# Altium PCB Moter_Control_2021-08-13.pcbdoc (part 1 of 2) (continued)
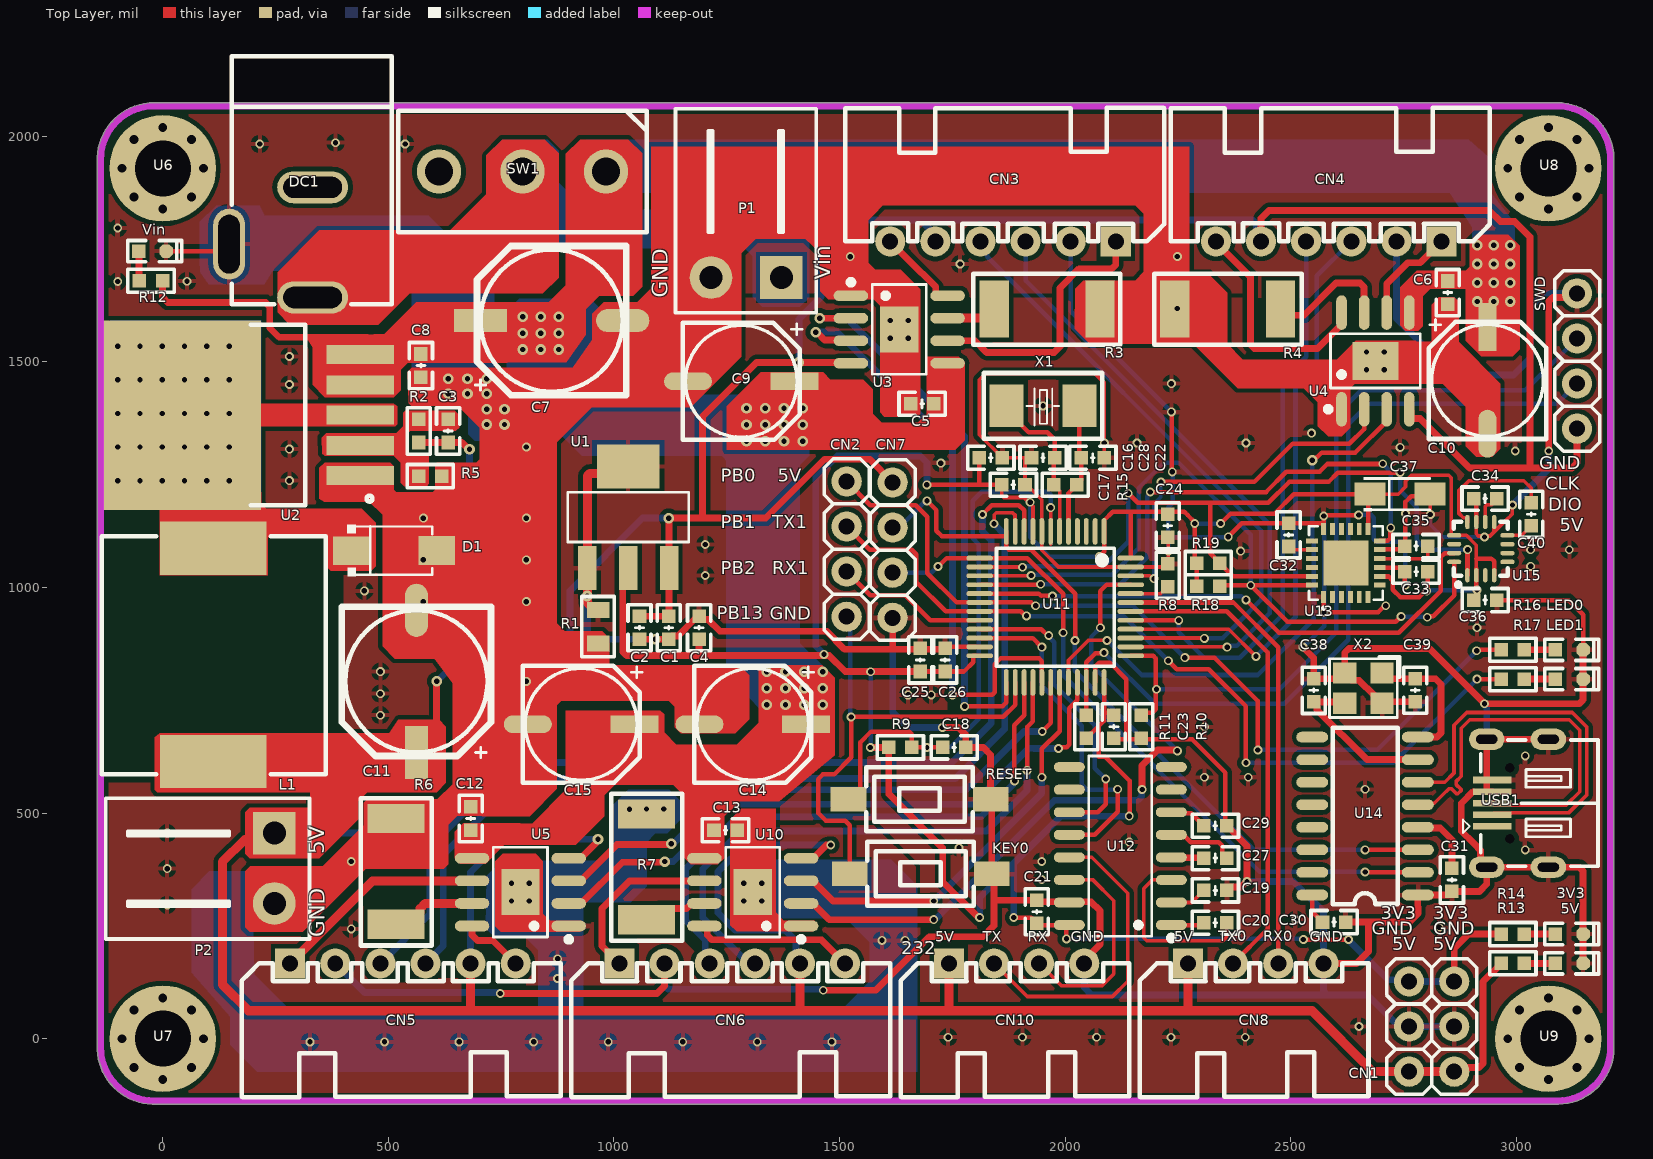
[diagram p0: Top Layer view]
## Part data
3V3 5V LED0 LED1 Vin: BOM_JLCPCB Part Class="Basic Part", BOM_Manufacturer=EVERLIGHT, BOM_Manufacturer Part=19-217/BHC-ZL1M2RY/3T, BOM_Supplier=LCSC, BOM_Supplier Part=C72041, spicePre=L, spiceSymbolName=19-217/BHC-ZL1M2RY/3T
C1 C18 C19 C20 C21 C23 C24 C25 C27 C29 C30 C31 C33 C35 C36: BOM_JLCPCB Part Class="Basic Part", BOM_Manufacturer=YAGEO, BOM_Manufacturer Part=CC0603KRX7R9BB104, BOM_Supplier=LCSC, BOM_Supplier Part=C14663, nameAlias=Capacitance, spicePre=C, spiceSymbolName=CC0603KRX7R9BB104
C2 C4: BOM_JLCPCB Part Class="Extended Part", BOM_Manufacturer=SAMSUNG, BOM_Manufacturer Part=CL10A106MA8NRNC, BOM_Supplier=LCSC, BOM_Supplier Part=C96446, nameAlias=Capacitance, spicePre=C, spiceSymbolName=CL10A106MA8NRNC
C3: BOM_JLCPCB Part Class="Basic Part", BOM_Manufacturer=SAMSUNG, BOM_Manufacturer Part=CL10B333KB8NNNC, BOM_Supplier=LCSC, BOM_Supplier Part=C21117, nameAlias=Capacitance, spicePre=C, spiceSymbolName=CL10B333KB8NNNC
C5 C6 C12 C13 C40: BOM_JLCPCB Part Class="Basic Part", BOM_Manufacturer=SAMSUNG, BOM_Manufacturer Part=CL10B224KA8NNNC, BOM_Supplier=LCSC, BOM_Supplier Part=C21120, nameAlias=Capacitance, spicePre=C, spiceSymbolName=CL10B224KA8NNNC
C7 C11: library part 470uF, BOM_JLCPCB Part Class="Extended Part", BOM_Manufacturer=ROQANG, BOM_Manufacturer Part=RVT1H471M1213, BOM_Supplier=LCSC, BOM_Supplier Part=C90272, nameAlias=Capacitance, spicePre=C, spiceSymbolName=RVT1H471M1213
C8 C16: BOM_JLCPCB Part Class="Basic Part", BOM_Manufacturer=SAMSUNG, BOM_Manufacturer Part=CL10A105KB8NNNC, BOM_Supplier=LCSC, BOM_Supplier Part=C15849, nameAlias=Capacitance, spicePre=C, spiceSymbolName=CL10A105KB8NNNC
C9 C10 C14 C15: BOM_JLCPCB Part Class="Extended Part", BOM_Manufacturer=HONOR, BOM_Manufacturer Part=RVT1H101M0810, BOM_Supplier=LCSC, BOM_Supplier Part=C3352, nameAlias=Capacitance, spicePre=C, spiceSymbolName=RVT1H101M0810
C17: BOM_JLCPCB Part Class="Basic Part", BOM_Manufacturer=FH, BOM_Manufacturer Part=0603B103K500NT, BOM_Supplier=LCSC, BOM_Supplier Part=C57112, nameAlias=Capacitance, spicePre=C, spiceSymbolName=0603B103K500NT
C22 C28 C38 C39: BOM_JLCPCB Part Class="Basic Part", BOM_Manufacturer=SAMSUNG, BOM_Manufacturer Part=CL10C220JB8NNNC, BOM_Supplier=LCSC, BOM_Supplier Part=C1653, nameAlias=Capacitance, spicePre=C, spiceSymbolName=CL10C220JB8NNNC
C26 C34: BOM_JLCPCB Part Class="Basic Part", BOM_Manufacturer=SAMSUNG, BOM_Manufacturer Part=CL10A475KO8NNNC, BOM_Supplier=LCSC, BOM_Supplier Part=C19666, nameAlias=Capacitance, spicePre=C, spiceSymbolName=CL10A475KO8NNNC
C32: BOM_JLCPCB Part Class="Basic Part", BOM_Manufacturer=FH, BOM_Manufacturer Part=0603B222K500NT, BOM_Supplier=LCSC, BOM_Supplier Part=C1604, nameAlias=Capacitance, spicePre=C, spiceSymbolName=0603B222K500NT
C37: BOM_JLCPCB Part Class="Extended Part", BOM_Manufacturer=KEMET, BOM_Manufacturer Part=T491A104K035AT, BOM_Supplier=LCSC, BOM_Supplier Part=C122257, Contributor=LCSC, nameAlias=Capacitance, spicePre=C, spiceSymbolName=T491A104K035AT
CN1 CN3 CN4 CN5 CN6 CN7 CN8 CN10 SWD: BOM_JLCPCB Part Class="Extended Part", BOM_Manufacturer="HX(Zhejiang Yueqing Hongxing Elec)", BOM_Supplier=LCSC, Contributor=LCSC, spicePre=C
  CN1 CN3 CN4 CN5 CN6: BOM_Manufacturer Part=HX25003-6WAP, BOM_Supplier Part=C442330, spiceSymbolName=HX25003-6WAP
  CN7 CN8 CN10 SWD: BOM_Manufacturer Part=HX25035-4WAP, BOM_Supplier Part=C442385, spiceSymbolName=HX25035-4WAP
CN2: BOM_JLCPCB Part Class="Extended Part", BOM_Manufacturer=GEPU(歌普), BOM_Manufacturer Part=GP26-2520WV-4P, BOM_Supplier=LCSC, BOM_Supplier Part=C2681739, Contributor=LCSC, spicePre=H, spiceSymbolName=GP26-2520WV-4P
D1: BOM_JLCPCB Part Class="Extended Part", BOM_Manufacturer=TWGMC, BOM_Manufacturer Part=SS54, BOM_Supplier=LCSC, BOM_Supplier Part=C727065, Contributor=LCSC, spicePre=D, spiceSymbolName=SS54_C727065
DC1 SW1: BOM_JLCPCB Part Class="Extended Part", BOM_Manufacturer="XKB Enterprise", BOM_Supplier=LCSC, Contributor=LCSC
  DC1: BOM_Manufacturer Part=DC-005-5A-3.0, BOM_Supplier Part=C388625, spicePre=D, spiceSymbolName=DC-005-5A-3.0
  SW1: BOM_Manufacturer Part=SS-12D06L5, BOM_Supplier Part=C319015, spicePre=S, spiceSymbolName=SS-12D06L5
KEY0 RESET: BOM_JLCPCB Part Class="Extended Part", BOM_Manufacturer=BRIGHT, BOM_Manufacturer Part=TSA363G25-250B, BOM_Supplier=LCSC, BOM_Supplier Part=C354943, Contributor=LCSC, spicePre=S, spiceSymbolName=TSA363G25-250B
L1: BOM_JLCPCB Part Class="Extended Part", BOM_Manufacturer=Sunlord, BOM_Manufacturer Part=MWSA1206S-330MT, BOM_Supplier=LCSC, BOM_Supplier Part=C408530, Contributor=LCSC, nameAlias=Inductance, spicePre=L, spiceSymbolName=MWSA1206S-330MT
P1 P2: BOM_JLCPCB Part Class="Extended Part", BOM_Manufacturer=ReliaPro, BOM_Manufacturer Part=WJ126V-5.0-2P, BOM_Supplier=LCSC, BOM_Supplier Part=C8404, spicePre=P, spiceSymbolName=WJ126V-5.0-2P
R1: BOM_JLCPCB Part Class="Basic Part", BOM_Manufacturer=UniOhm, BOM_Manufacturer Part=0603WAF0000T5E, BOM_Supplier=LCSC, BOM_Supplier Part=C21189, nameAlias="Resistance (Ohms)", spicePre=R, spiceSymbolName=0603WAF0000T5E
R2: BOM_JLCPCB Part Class="Extended Part", BOM_Manufacturer=UniOhm, BOM_Manufacturer Part=0603WAF1052T5E, BOM_Supplier=LCSC, BOM_Supplier Part=C22855, nameAlias="Resistance (Ohms)", spicePre=R, spiceSymbolName=0603WAF1052T5E
R3 R4 R6 R7: BOM_JLCPCB Part Class="Extended Part", BOM_Manufacturer=UniOhm, BOM_Manufacturer Part=25121WF250LT4E, BOM_Supplier=LCSC, BOM_Supplier Part=C25467, nameAlias="Resistance (Ohms)", spicePre=R, spiceSymbolName=25121WF250LT4E
R5 R12: BOM_JLCPCB Part Class="Basic Part", BOM_Manufacturer=UniOhm, BOM_Manufacturer Part=0603WAF2001T5E, BOM_Supplier=LCSC, BOM_Supplier Part=C22975, nameAlias="Resistance (Ohms)", spicePre=R, spiceSymbolName=0603WAF2001T5E
R8 R9: BOM_JLCPCB Part Class="Basic Part", BOM_Manufacturer=UniOhm, BOM_Manufacturer Part=0603WAF1002T5E, BOM_Supplier=LCSC, BOM_Supplier Part=C25804, nameAlias="Resistance (Ohms)", spicePre=R, spiceSymbolName=0603WAF1002T5E
R10 R11: BOM_JLCPCB Part Class="Extended Part", BOM_Manufacturer=YAGEO, BOM_Manufacturer Part=RC0603FR-074K7L, BOM_Supplier=LCSC, BOM_Supplier Part=C99782, nameAlias="Resistance (Ohms)", spicePre=R, spiceSymbolName=RC0603FR-074K7L
R13 R14 R16 R17: BOM_JLCPCB Part Class="Basic Part", BOM_Manufacturer=UniOhm, BOM_Manufacturer Part=0603WAF5100T5E, BOM_Supplier=LCSC, BOM_Supplier Part=C23193, nameAlias="Resistance (Ohms)", spicePre=R, spiceSymbolName=0603WAF5100T5E
R15: BOM_JLCPCB Part Class="Basic Part", BOM_Manufacturer=UniOhm, BOM_Manufacturer Part=0603WAF1004T5E, BOM_Supplier=LCSC, BOM_Supplier Part=C22935, nameAlias="Resistance (Ohms)", spicePre=R, spiceSymbolName=0603WAF1004T5E
R18 R19: BOM_JLCPCB Part Class="Basic Part", BOM_Manufacturer=UniOhm, BOM_Manufacturer Part=0603WAF4701T5E, BOM_Supplier=LCSC, BOM_Supplier Part=C23162, nameAlias="Resistance (Ohms)", spicePre=R, spiceSymbolName=0603WAF4701T5E
U1: BOM_JLCPCB Part Class="Extended Part", BOM_Manufacturer="SLKORMICRO Elec.", BOM_Manufacturer Part=AMS1117-3.3, BOM_Supplier=LCSC, BOM_Supplier Part=C426566, Contributor=LCSC, spicePre=U, spiceSymbolName=AMS1117-3.3_C426566
U2: BOM_JLCPCB Part Class="Extended Part", BOM_Manufacturer=XLSEMI, BOM_Manufacturer Part=XL4005E1, BOM_Supplier=LCSC, BOM_Supplier Part=C73332, spicePre=U, spiceSymbolName=XL4005E1
U3 U4 U5 U10: BOM_JLCPCB Part Class="Extended Part", BOM_Manufacturer=ALLEGRO, BOM_Manufacturer Part=A4950ELJTR-T, BOM_Supplier=LCSC, BOM_Supplier Part=C82404, spicePre=U, spiceSymbolName=A4950ELJTR-T
U11: BOM_Manufacturer=GigaDevice(兆易创新), BOM_Manufacturer Part=GD32F303CGT6, BOM_Supplier=LCSC, BOM_Supplier Part=C2835084, Contributor=LCSC, spicePre=U, spiceSymbolName=GD32F303CGT6
U12: BOM_JLCPCB Part Class="Extended Part", BOM_Manufacturer=HGSEMI, BOM_Manufacturer Part=SP3232EIM/TR, BOM_Supplier=LCSC, BOM_Supplier Part=C519088, Contributor=LCSC, spicePre=U, spiceSymbolName=SP3232EIM/TR
U13: BOM_JLCPCB Part Class="Basic Part", BOM_Manufacturer=InvenSense, BOM_Manufacturer Part=MPU-6050, BOM_Supplier=LCSC, BOM_Supplier Part=C24112, sourceId=1T5FDZYC8, spicePre=U, spiceSymbolName=MPU-6050_C24112, timeStamp=1462265206
U14: BOM_JLCPCB Part Class="Basic Part", BOM_Manufacturer=WCH, BOM_Manufacturer Part=CH340G, BOM_Supplier=LCSC, BOM_Supplier Part=C14267, spicePre=U, spiceSymbolName=CH340G, timeStamp=1468327462
U15: BOM_JLCPCB Part Class="Extended Part", BOM_Manufacturer=QST, BOM_Manufacturer Part=QMC5883L-TR, BOM_Supplier=LCSC, BOM_Supplier Part=C192585, Contributor=LCSC, spicePre=U, spiceSymbolName=QMC5883L-TR
USB1: BOM_JLCPCB Part Class="Extended Part", BOM_Manufacturer=韩国韩荣, BOM_Manufacturer Part=U-M-M5DS-W-5, BOM_Supplier=LCSC, BOM_Supplier Part=C2689963, Contributor=LCSC, spicePre=U, spiceSymbolName=U-M-M5DS-W-5_C2689963
X1: BOM_JLCPCB Part Class="Basic Part", BOM_Manufacturer=YXC, BOM_Manufacturer Part=X50328MSB2GI, BOM_Supplier=LCSC, BOM_Supplier Part=C115962, nameAlias=Frequency, spicePre=X, spiceSymbolName=X50328MSB2GI
X2: BOM_JLCPCB Part Class="Basic Part", BOM_Manufacturer=YXC, BOM_Manufacturer Part=X322512MSB4SI, BOM_Supplier=LCSC, BOM_Supplier Part=C9002, nameAlias=Frequency, spicePre=X, spiceSymbolName=X322512MSB4SI
U6 U7 U8 U9: Contributor=xdyewu, spicePre=U, spiceSymbolName=Fix

## Via types
v1: diameter 19.68, hole 11.81, Top Layer to Bottom Layer, tented both sides, 174 vias
v2: diameter 23.62, hole 11.81, Top Layer to Bottom Layer, tented both sides, 70 vias
v3: diameter 19.68, hole 11.81, Top Layer to Bottom Layer, 30 vias

## Nets (pads, with @x,y where several pads share a name; then routed paths per layer and width w, separated by ;. In a path a pad name is that pad's centre, name@x,y a point inside that pad or via, vN(x,y) a via of type N, cw(c..) or ccw(c..) an arc to the next point about the centre after c; other vN are vias at no path point)
3V3: C4.2 C16.1 C17.1 C21.2 C23.2 C24.2 C25.2 C26.2 C33.2 C36.2 C37.1 CN1.5 CN1.6 R9.2 R11.2 R14.2 R18.1 R19.1 U1.2 U11.1 U11.9 U11.24 U11.36 U11.48 U12.16 U13.8 U13.13 U15.2 U15.4 U15.13 | length 7215.6
  Top Layer w8: C17.1@1859.71,1227.56 1859.71,1204.12 1864.4,1199.43 1908.65,1199.43 1919.1,1188.99 v1(1922.26,1188.99) ; U11.9@1928.59,1124.25 1928.59,1179.49 ; C37.1@2675.82,1206.93 2738.02,1206.93 2754.14,1223.04 2754.14,1235.62 2767.2,1248.69 2850.07,1248.69 2855.92,1242.83 2855.92,1116.55 2856.78,1115.69 U15.13@2862.03,1115.69 2889.29,1115.69 2911.24,1093.74 2911.24,1064.1 2911.24,1042.86
  Top Layer w10: C25.2@1678.74,813.83 1775.64,813.83 1796.02,834.21 1796.02,848.37 1796.31,848.67 U11.24@1810.48,848.67 ; v1(1693.39,1227.56) 1810.6,1227.56 ; C16.1@1809.71,1287.56 1809.71,1228.45 1810.6,1227.56 ; C17.1@1859.71,1227.56 1810.6,1227.56 ; v1(1886.01,268.54) 1924.41,268.54 1941.02,251.93 U12.16@2007.58,251.93 ; v1@2002.02,223.45 2002.02,246.36 U12.16@2007.58,251.93 ; U12.16@2009.11,251.93 U12.16@2007.58,251.93 ; R11.2@2046.79,665.75 2073.84,692.79 ; v1(2075.67,1068.68) 2086.65,1079.65 2086.65,1099.29 2086.19,1099.75 2086.19,1123.5 U11.1@2086.36,1123.67 ; 2086.07,705.03 2073.84,692.79 ; 2086.07,710.03 2086.07,722.02 ; U11.36@2086.07,789.62 2086.07,722.02 ; U11.1@2086.07,1124.25 2086.07,1148.46 2105.72,1168.11 2145.67,1168.11 ; C23.2@2107.83,721.93 2107.74,722.02 2086.07,722.02 ; v1(2141.93,493.17) 2142.55,493.79 2142.55,571.54 2088.83,625.26 2073.84,625.26 2073.84,692.79 ; U11.48@2145.12,1065.2 2145.12,1167.56 2145.67,1168.11 ; R19.1@2287.2,1052.53 v1(2287.2,1141.93) 2287.2,1144.55 2271.21,1160.55 2271.21,1160.69 2263.79,1168.11 2145.67,1168.11 ; R19.1@2291.57,1054.16 2291.57,1002.42 R18.1@2291.61,1002.38 ; v1(2344.45,1141.7) 2366.66,1163.92 2463.9,1163.92 2506.91,1206.93 C37.1@2675.82,1206.93 2671.42,1202.53 U13.13@2671.42,1129.39 ; v1(2527.91,219.78) v1(2627.91,219.78) ; U13.8@2697.31,1024.77 2697.69,1024.38 2716.73,1024.38 2726.17,1014.95 2726.17,995.18 2743,978.34 2784.24,978.34 2803.39,997.48 C33.2@2803.39,1035.22 ; C36.2@2911.24,978.03 U15.2@2911.24,1027.11 2911.24,1042.86 ; 2911.24,1064.1 2944.76,1064.1 2950.61,1058.24 U15.4@2950.61,1027.11
  Top Layer w15: U1.2@1031.54,1043.36 1019.26,1031.09 1019.26,858.22 1028.05,849.43 1189.4,849.43 ; C4.2@1188.54,885.28 1188.54,850.3 1189.4,849.43 ; v1@1465.17,850.9 1467.52,850.9 1468.99,849.43 1476.88,849.43 1512.48,813.83 C25.2@1678.74,813.83 ; v1(1465.36,851.79) 1464.09,851.79 1461.73,849.43 1189.4,849.43 ; v1(1568.18,645.55) R9.2@1609.1,645.55 1609.1,542.32 1728.5,422.91 1728.5,347.81 1805.43,270.88 1806.8,270.88 1809.14,268.54 v1(1810.41,268.54) ; CN1.5@2862.2,126.93 2862.2,199.97 2894.17,231.93 R14.2@2966.62,231.93
  Bottom Layer w10: v1(1568.18,645.55) 1568.53,645.9 1568.53,812.95 v1(1568.88,813.3) ; v1(1922.26,1188.99) 1922.26,1111.6 1965.18,1068.68 v1(2075.67,1068.68) ; v1(2002.72,221.3) 2526.57,221.3 v1@2527.2,221.93 ; v1(2287.2,1141.93) 2287.32,1141.82 2344.33,1141.82 v1(2344.45,1141.7) ; v1(2801.31,992.63) 2802.38,993.71 2911.57,993.71 v1(2912.64,994.78)
  Bottom Layer w15: v1(1465.36,851.79) 1465.36,852.13 1447.1,870.39 1447.1,1243.73 1494.82,1291.45 1678.74,1291.45 1693.74,1276.45 1693.74,1227.92 v1(1693.39,1227.56) ; v1(1810.41,268.54) 1810.41,312.46 1885.82,387.86 ; v1(1886.01,268.54) 1885.82,268.73 1885.82,387.86 ; v1(2141.93,493.17) 1991.13,493.17 1885.82,387.86 ; v1@2627.2,219.78 2716.56,130.43 2758.71,130.43 CN1.6@2762.2,126.93 CN1.5@2862.2,126.93
AGND: C5.1 C6.1 C7.2 C8.2 C9.2 C10.2 C11.2 C12.1 C13.1 C14.2 C15.2 D1.2 DC1.3 P1.2 P2.2 R1.1 R3.1 R4.1 R5.1 R6.1 R7.1 U2.1 U3.1 U3.9 U4.1 U4.9 U5.1 U5.9 U10.1 U10.9 Vin.2 | length 146.1
  Top Layer w10: Vin.2@7.38,1745.48 131.56,1745.48 DC1.3@147.04,1760.95
  other v1: 326.32,-6.96 491.54,-6.96 656.76,-6.96 821.97,-6.96 987.19,-6.96 1152.4,-6.96 1317.62,-6.96 1482.83,-6.96 875.2,133.46 875.2,176.93 1594.1,217.89 1645.28,217.89 417.56,243.35 9.84,296.74 9.84,376.93 417.56,392.56 9.84,455.67 482.2,716.93 482.2,764.56 805.87,791.93 482.2,813.61 577.41,968.68 805.87,968.68 446.77,992.67 577.41,1061.23 805.87,1061.23 577.41,1153.78 805.87,1153.78 280.61,1236.93 280.61,1306.64 805.87,1311.35 280.61,1450.08 280.61,1511.93 2248.53,1618.46 -99.84,1678.27 53.8,1678.81 1767.2,1716.93 1523.65,1733.21 2248.53,1733.46 -99.84,1796.93 214.91,1982.93 537.2,1982.93 382.86,1985.81
  other v2: 1034.39,508.52 1072.2,509.01 1110.37,509.01 717.8,1361.4 757.32,1361.4 717.8,1395.25 757.32,1395.25 632.8,1429.09 675.3,1429.09 717.8,1429.09 632.8,1462.93 675.3,1462.93 717.8,1462.93
D+: U14.5 USB1.3 | length 889.7
  Top Layer w8: U14.5@2781.5,518.54 2784.49,521.53 2817.72,521.53 2837.09,540.91 2849.82,553.63 2856.44,553.63 2867.2,542.88 2870.17,542.88 2877.1,549.81 2877.1,552.78 2866.34,563.53 2866.34,570.16 2877.78,581.59 2877.78,581.96 2877.78,688.25 2896.46,706.93 3117.2,706.93 3140.3,683.84 3140.3,547.52 3109.91,517.13 2989.47,517.13 2988.17,518.43 2949.96,518.43 USB1.3@2946.46,521.93
D-: U14.6 USB1.2 | length 892.3
  Top Layer w8: U14.6@2781.5,568.54 2834.64,568.54 2834.77,568.42 2841.39,568.42 2861.78,588.8 2861.78,694.88 2889.83,722.93 3123.83,722.93 3156.3,690.47 3156.3,540.89 3116.54,501.13 2989.47,501.13 2988.17,499.84 2949.96,499.84 USB1.2@2946.46,496.34
DGND: 3V3.2 5V.2 C1.2 C2.2 C4.1 C16.2 C17.2 C18.1 C19.1 C21.1 C22.1 C23.1 C24.1 C25.1 C26.1 C28.1 C29.2 C30.2 C31.2 C32.2 C33.1 C34.2 C35.1 C36.1 C37.2 C38.1 C39.2 CN1.3 CN1.4 CN3.2 CN4.2 CN5.2 CN6.2 CN7.4 CN8.4 CN10.4 KEY0.1 LED0.2 LED1.2 R1.2 R8.2 R10.2 RESET.1 SWD.4 U1.1 U1.4 U11.8 U11.23 U11.35 U11.47 U12.15 U13.1 U13.9 U13.11 U13.18 U14.1 U15.9 U15.11 USB1.4 USB1.5 USB1.6 X2.2 X2.4 | length 14879.1
  Top Layer w8: C28.1@1925.3,1287.56 C28.1@1911.49,1287.56 ; C22.1@2086.9,1287.37 2086.9,1453.24 2065.93,1474.21 1823.64,1474.21 1809.71,1460.28 1809.71,1338.74 C16.2@1860.89,1287.56 C28.1@1911.49,1287.56 ; C24.1@2227.21,1111.34 2228.54,1110 v1(2228.54,1080.64) 2228.54,1053.86 2220.19,1045.51 U11.47@2145.12,1045.51 1985,1045.51 1948.27,1082.24 U11.8@1948.27,1124.25 1948.27,1194.46 1926.17,1216.56 1921.89,1216.56 C17.2@1910.89,1227.56 1910.89,1286.96 C28.1@1911.49,1287.56 ; C37.2@2808.59,1206.93 2809.29,1206.23 v1(2809.29,1161.77) ; U15.11@2911.24,1142.86 2911.24,1118.8 2915.93,1114.12 2941.56,1114.12 2950.26,1122.82 ; U15.9@2950.61,1142.86 2950.26,1142.5 2950.26,1122.82 ; v1@2990.71,1184.82 2990.71,1162.87 2981.62,1153.78 2981.22,1153.78 2950.26,1122.82
  Top Layer w10: C26.1@1733.74,868.36 U11.23@1810.48,868.36 ; U11.35@2066.38,789.62 2066.5,789.74 2066.5,824.45 2075.67,833.62 2098.57,833.62 2135.24,796.95 2135.24,663.55 ; C23.1@2107.83,665.75 2110.35,663.23 2134.92,663.23 2135.24,663.55 ; v1(2235.3,1389.31) 2236.25,1388.35 2236.25,1257.33 v1(2237.2,1256.38) ; C29.2@2358.39,471.93 2354.95,475.36 2354.95,589.96 2281.69,663.23 2171.4,663.23 R10.2@2168.88,665.75 2166.36,663.23 2135.56,663.23 2135.24,663.55 ; v1(2361.48,1112.33) 2391.22,1142.07 2571.04,1142.07 2572.95,1143.98 v1(2572.91,1158.56) v1(2572.91,1158.56) 2574.02,1159.68 2649.31,1159.68 v1(2650.43,1160.79) ; U13.1@2572.99,979.2 2573.35,978.85 2573.35,945.31 v1(2573.7,944.96) 2693.3,944.96 2707.79,959.45 v1(2710.41,959.45) ; U13.9@2697.31,1044.45 2697.82,1043.94 2743.48,1043.94 C33.1@2752.2,1035.22 2752.2,1009.57 v1@2754.15,1007.63 ; U13.11@2697.31,1083.82 2697.82,1084.34 2744.61,1084.34 C35.1@2752.2,1091.93 2757.74,1097.46 2754.15,1101.05 v1(2754.15,1163.92) 2754.15,1189.54 2767.2,1202.59 C37.2@2804.26,1202.59 ; C34.2@2905.02,1194.75 2911.24,1188.53 U15.11@2911.24,1142.86 ; C36.1@2956.52,972.12 3115.56,972.12 3147.8,939.88 LED0.2@3147.8,861.93 LED0.2@3147.8,846.93
  Top Layer w15: v1(747.91,100.22) 1095.37,100.22 1112.2,117.06 CN6.2@1112.2,166.93 ; C2.2@1056.54,885.28 v2(1091.75,885.27) C1.2@1121.54,885.28 1129.04,892.78 1141.71,892.78 1177.89,928.96 1181.04,928.96 C4.1@1188.54,936.46 1196.04,928.96 1208.6,928.96 1234.36,903.2 1471.17,903.2 1511.34,863.03 1617.59,863.03 ; v1(1463.68,107.28) 1580.04,107.28 1698.47,225.72 1817.34,225.72 1842.2,250.59 1842.2,312.79 ; CN7.4@1617.59,932.89 1617.59,863.03 ; v1(1727.76,689.7) 1763.47,689.7 1779.68,673.49 C18.1@1779.68,645.55 1818.48,645.55 1834.68,629.35 RESET.1@1834.68,530.55 1837.16,528.07 KEY0.1@1837.16,365.55 1842.2,360.51 1842.2,312.79 ; C26.1@1733.74,868.36 1728.42,863.03 1617.59,863.03 ; CN10.4@2042.2,166.93 2042.2,173.77 2077.2,208.77 2077.2,283.69 2057.62,303.28 2010.46,303.28 U12.15@2009.11,301.93 2007.77,303.28 1940.86,303.28 C21.1@1937.2,306.93 1848.06,306.93 1842.2,312.79 ; C19.1@2358.39,329.51 2364.97,336.1 2389.52,336.1 2401.67,348.25 v1(2402.94,348.25) 2402.94,427.38 C29.2@2358.39,471.93 ; v1(2527.2,867.78) 2550.86,844.12 C38.1@2550.86,797.58 2606.66,797.58 X2.2@2619.53,810.45 ; CN8.4@2572.2,166.93 2645.86,166.93 2672.4,193.47 2672.4,258.54 ; C30.2@2621.45,258.54 2672.4,258.54 ; C39.2@2775.86,746.6 2705.28,746.6 X2.4@2702.2,743.52 2700.24,743.52 2684.11,759.64 2684.11,761.61 2651.4,794.33 2635.65,794.33 X2.2@2619.53,810.45 ; 2904.13,547.52 2877.78,521.16 2877.78,460.36 2905.77,432.36 2920.61,417.53 2920.61,393.84 USB1.6@2934.25,380.2 ; USB1.4@2946.46,547.52 2934.25,547.52 USB1.6@2934.25,663.66 USB1.6@3070.87,663.66 ; v1@3071.61,1302.95 3071.61,1633.85 3080.4,1642.64 3125.22,1642.64 SWD.4@3134.51,1651.93 ; 5V.2@3147.8,166.93 3V3.2@3147.8,231.93 3147.8,371.41 3139.01,380.2 USB1.6@3070.87,380.2 USB1.6@2934.25,380.2 ; LED0.2@3147.8,846.93 LED1.2@3147.8,796.93 3147.8,751.02 3139.01,742.23 v1(2929.44,742.23) 2929.44,742.66 2807.09,865.01 2628.94,865.01 2619.53,855.6 X2.2@2619.53,810.45 ; 2672.4,258.54 2763.07,258.54 2781.73,277.19 2781.73,291.5 2781.5,291.73 U14.1@2781.5,318.54 2849.4,318.54 C31.2@2857.2,326.34 2918.05,326.34 2934.25,342.54 USB1.6@2934.25,380.2
  Top Layer w20: R1.2@972.21,950.44 R1.2@964.71,950.44 957.21,950.44 940.99,966.66 v2(940.99,981.15) U1.1@940.99,1043.36 940.99,1247.1 946.73,1252.83 1016.01,1252.83 U1.4@1031.54,1268.36
  Bottom Layer w8: v1(2809.29,1161.77) 2809.29,1139.17 2836.49,1111.97 v1(2929.44,1111.97)
  Bottom Layer w10: CN3.2@2012.2,1766.93 2012.2,1612.4 v1(2235.3,1389.31) ; v1(2228.54,1080.64) 2228.54,1111.55 ; v1(2237.2,1256.38) 2238.36,1255.22 2238.36,1187.85 2228.54,1178.03 2228.54,1111.55 ; v1(2361.48,1112.33) 2360.69,1111.55 2228.54,1111.55 ; v1(2527.2,867.78) 2573.7,914.27 v1(2573.7,944.96) v1@2573.7,1159.22 ; v1(2650.43,1160.79) 2678.36,1160.79 2684.22,1154.94 2684.22,1107.05 2690.07,1101.2 2749.7,1101.2 2754.15,1105.65 ; v1(2754.15,1005.08) 2754.15,1105.65 ; v1(2754.15,1163.92) 2754.15,1105.65
  Bottom Layer w15: CN5.2@382.2,166.93 446.77,102.37 v1@747.2,102.37 ; v2(940.99,981.15) 940.99,894.06 949.78,885.27 v2(1091.75,885.27) ; CN6.2@1112.2,166.93 1112.2,118.22 1120.99,109.43 v1@1462.98,109.43 ; CN7.4@1617.59,932.89 1617.59,723.66 1651.55,689.7 v1(1727.76,689.7) ; CN10.4@2042.2,166.93 2042.2,113.11 2058.35,96.96 2581.54,96.96 ; v1(2402.94,348.25) 2505.49,348.25 2572.2,281.54 CN8.4@2572.2,166.93 2572.2,106.29 2581.54,96.96 ; CN4.2@2734.07,1766.93 2734.07,1596.09 2859.42,1470.75 2993.45,1470.75 3031.5,1508.8 3031.5,1621.35 3062.08,1651.93 SWD.4@3134.51,1651.93 ; CN1.3@2862.2,26.93 CN1.4@2762.2,26.93 2739.55,26.93 2669.52,96.96 2581.54,96.96 ; v1(2929.44,742.23) 2929.44,740.96 2934.25,736.15 USB1.6@2934.25,663.66 ; v1(2991.41,1182.67) 3071.61,1262.88 v1(3071.61,1302.37)
  other v1: 1740.54,3.27 1905.14,3.27 2069.74,3.27 2234.34,3.27 2398.94,3.27 2651.2,26.93 2828.74,246.93 2510.41,263.82 1947.93,352.82 1947.93,392.72 3019.51,418.54 1764.64,423.18 2141.93,435.53 2664.8,552.83 2308.34,579.43 2405.67,579.43 3019.51,626.93 2308.34,691.34 1651.88,761.97 1703.05,761.97 2912.64,910.89 1202.27,1026.55 3031.5,1046.85 2388.76,1080.64 3031.5,1083.82 3117.16,1083.68 1202.27,1095.26 1724.38,1275.69 2997.38,1302.37 2742.3,1310.66 2086.9,1320.21 2159.11,1320.21 2400.61,1320.21 2545.98,1342.01 1950.89,1402.56 2235.3,1451.93
M1_1: CN3.1 U3.6 | length 592.2
  Top Layer w15: U3.6@1739.31,1546.93 1799.8,1546.93 1825.89,1520.85 1975.57,1520.85 1988.54,1533.82 1988.54,1664.09 2031.02,1706.56 2103.42,1706.56 2112.2,1715.35 CN3.1@2112.2,1766.93
M1_2: CN3.6 U3.8 | length 185.6
  Top Layer w15: CN3.6@1612.2,1766.93 1651.78,1727.36 1713.2,1665.94 1713.2,1650.95 1717.22,1646.93 U3.8@1739.31,1646.93
M2_1: CN4.1 U4.6 | length 223.8
  Top Layer w15: U4.6@2712.51,1609.36 2712.51,1672.55 2759.8,1719.84 2786.98,1719.84 CN4.1@2834.07,1766.93
M2_2: CN4.6 U4.8 | length 514
  Top Layer w15: CN4.6@2334.07,1766.93 2334.07,1764.69 2410.41,1688.35 2410.41,1538.63 2419.2,1529.84 2559.36,1529.84 2612.51,1583 U4.8@2612.51,1609.36
M3_1: CN5.1 U5.6 | length 478.9
  Top Layer w20: CN5.1@282.2,166.93 465.05,349.77 U5.6@685.41,349.77
M3_2: CN5.6 U5.8 | length 142.6
  Top Layer w15: U5.8@685.41,249.77 685.41,230.13 697.64,217.89 731.24,217.89 CN5.6@782.2,166.93
M4_1: CN6.1 U10.6 | length 390.1
  Top Layer w15: CN6.1@1012.2,166.93 973.47,205.67 973.47,288.86 1034.39,349.77 U10.6@1200.41,349.77
M4_2: CN6.6 U10.8 | length 355.6
  Top Layer w15: U10.8@1200.41,249.77 1202.6,249.77 1206.62,245.75 1206.62,229.48 1216.94,219.16 1459.98,219.16 CN6.6@1512.2,166.93
Net3V3_1: 3V3.1 R14.1 | length 68.8
  Top Layer w15: R14.1@3017.8,231.93 3V3.1@3086.61,231.93
Net5V_1: 5V.1 R13.1 | length 68.8
  Top Layer w15: R13.1@3017.8,166.93 5V.1@3086.61,166.93
NetC3_1: C3.1 R2.2 R5.2 U2.2
NetC18_2: C18.2 R9.1 RESET.2 U11.7 | length 1288.3
  Top Layer w8: v1(1967.84,1177.01) 1967.9,1176.95 1967.9,1124.31 U11.7@1967.96,1124.25 U11.7@1967.96,1095.71
  Top Layer w10: RESET.2@1519.72,530.55 1524.04,530.55 1546.21,552.72 1546.21,657.27 1569.69,680.75 1654.42,680.75 1660.28,674.89 R9.1@1660.28,645.55 R9.1@1660.28,645.55 v1(1693.74,645.49) 1728.44,645.49 C18.2@1728.5,645.55
  Bottom Layer w10: v1(1693.74,645.49) 1745.35,645.49 1808.74,708.88 1808.74,1095.26 1794.77,1109.23 1794.77,1191.94 1815.01,1212.18 1961.29,1212.18 1967.84,1205.63 v1(1967.84,1177.01)
NetC19_2: C19.2 U12.2 | length 83
  Top Layer w8: U12.2@2235.3,301.93 2280.54,301.93 C19.2@2307.2,328.6
NetC20_1: C20.1 U12.1 | length 74
  Top Layer w10: U12.1@2235.3,251.93 2302.2,251.93 C20.1@2307.2,256.93
NetC20_2: C20.2 U12.3 | length 400.5
  Top Layer w8: U12.3@2235.3,351.93 2193.13,351.93 2173.97,332.77 2173.97,223.45 2180.49,216.93 2349.6,216.93 2358.39,225.72 C20.2@2358.39,256.93
NetC27_1: C27.1 U12.4 | length 72.6
  Top Layer w15: U12.4@2235.3,401.93 2236.13,401.1 2306.37,401.1 C27.1@2307.2,400.26
NetC27_2: C27.2 U12.5 | length 154.5
  Top Layer w10: U12.5@2235.3,451.93 2261.88,451.93 2278.28,435.53 2340.21,435.53 2348.39,427.36 2348.39,410.26 C27.2@2358.39,400.26
NetC29_1: C29.1 U12.6 | length 84.3
  Top Layer w10: U12.6@2235.3,501.93 2237.6,499.62 2279.51,499.62 C29.1@2307.2,471.93
NetC30_1: C30.1 U14.16 | length 69.4
  Top Layer w10: U14.16@2547.5,318.54 2547.5,281.32 C30.1@2570.27,258.54
NetC31_1: C31.1 U14.4 | length 150.5
  Top Layer w15: U14.4@2781.5,468.54 2783.15,466.89 2831.21,466.89 2857.2,440.91 C31.1@2857.2,377.52
NetC32_1: C32.1 U13.20 | length 55
  Top Layer w8: C32.1@2495.03,1090.89 2502.1,1083.82 U13.20@2547.11,1083.82
NetC34_1: C34.1 U15.10 | length 68.4
  Top Layer w8: U15.10@2930.92,1142.86 2930.61,1143.17 2930.61,1179.06 2935.3,1183.75 2945.2,1183.75 C34.1@2956.2,1194.75
NetC35_2: C35.2 U13.10 | length 131.1
  Top Layer w8: U13.10@2697.31,1064.14 2798.7,1064.14 2803.39,1068.83 C35.2@2803.39,1091.93
NetC38_2: C38.2 U14.7 X2.3 | length 359.3
  Top Layer w15: X2.3@2619.53,743.52 2616.65,746.4 2558.36,746.4 C38.2@2550.86,746.4 2558.36,738.9 2558.36,728.85 2668.67,618.54 U14.7@2781.5,618.54
NetC39_1: C39.1 U14.8 X2.1 | length 304.4
  Top Layer w15: X2.1@2702.2,810.45 2702.2,809.78 2714.21,797.78 C39.1@2775.86,797.78 2820.58,797.78 2832.73,785.63 2832.73,677.33 2823.94,668.54 U14.8@2781.5,668.54
NetC40_1: C40.1 U15.8 | length 61.3
  Top Layer w8: U15.8@2980.14,1115.69 3011.83,1115.69 C40.1@3032.8,1136.66
NetC40_2: C40.2 U15.12 | length 291
  Top Layer w8: U15.12@2891.55,1145.22 2891.55,1153.75 2890.7,1154.6 2882.17,1154.6 2872.86,1163.92 2872.86,1214.91 2894.88,1236.93 3016.5,1236.93 3032.8,1220.63 C40.2@3032.8,1187.84
NetD1_1: D1.1 L1.2 U2.3 U2.6
  other v3: -99.84,1236.93 -50.47,1236.93 -1.09,1236.93 48.28,1236.93 97.66,1236.93 147.04,1236.93 -99.84,1311.35 -50.47,1311.35 -1.09,1311.35 48.28,1311.35 97.66,1311.35 147.04,1311.35 -99.84,1385.78 -50.47,1385.78 -1.09,1385.78 48.28,1385.78 97.66,1385.78 147.04,1385.78 -99.84,1460.2 -50.47,1460.2 -1.09,1460.2 48.28,1460.2 97.66,1460.2 147.04,1460.2 -99.84,1534.62 -50.47,1534.62 -1.09,1534.62 48.28,1534.62 97.66,1534.62 147.04,1534.62
NetLED0_1: LED0.1 R16.1 | length 68.8
  Top Layer w15: R16.1@3017.8,861.93 LED0.1@3086.61,861.93
NetLED1_1: LED1.1 R17.1 | length 68.8
  Top Layer w15: R17.1@3017.8,796.93 LED1.1@3086.61,796.93